# Altium PCB Bidir_Active_Rectifier-Main_Board.PcbDoc (part 2 of 3)
Units mm, origin at the board's own origin, x right, y up, seen from the top; angles counter-clockwise.
Board outline 95 x 135 mm, 2 copper layers (Top Layer, Bottom Layer), stack 1.641 mm thick; 308 components, 176 nets, 905 pads, 591 vias.
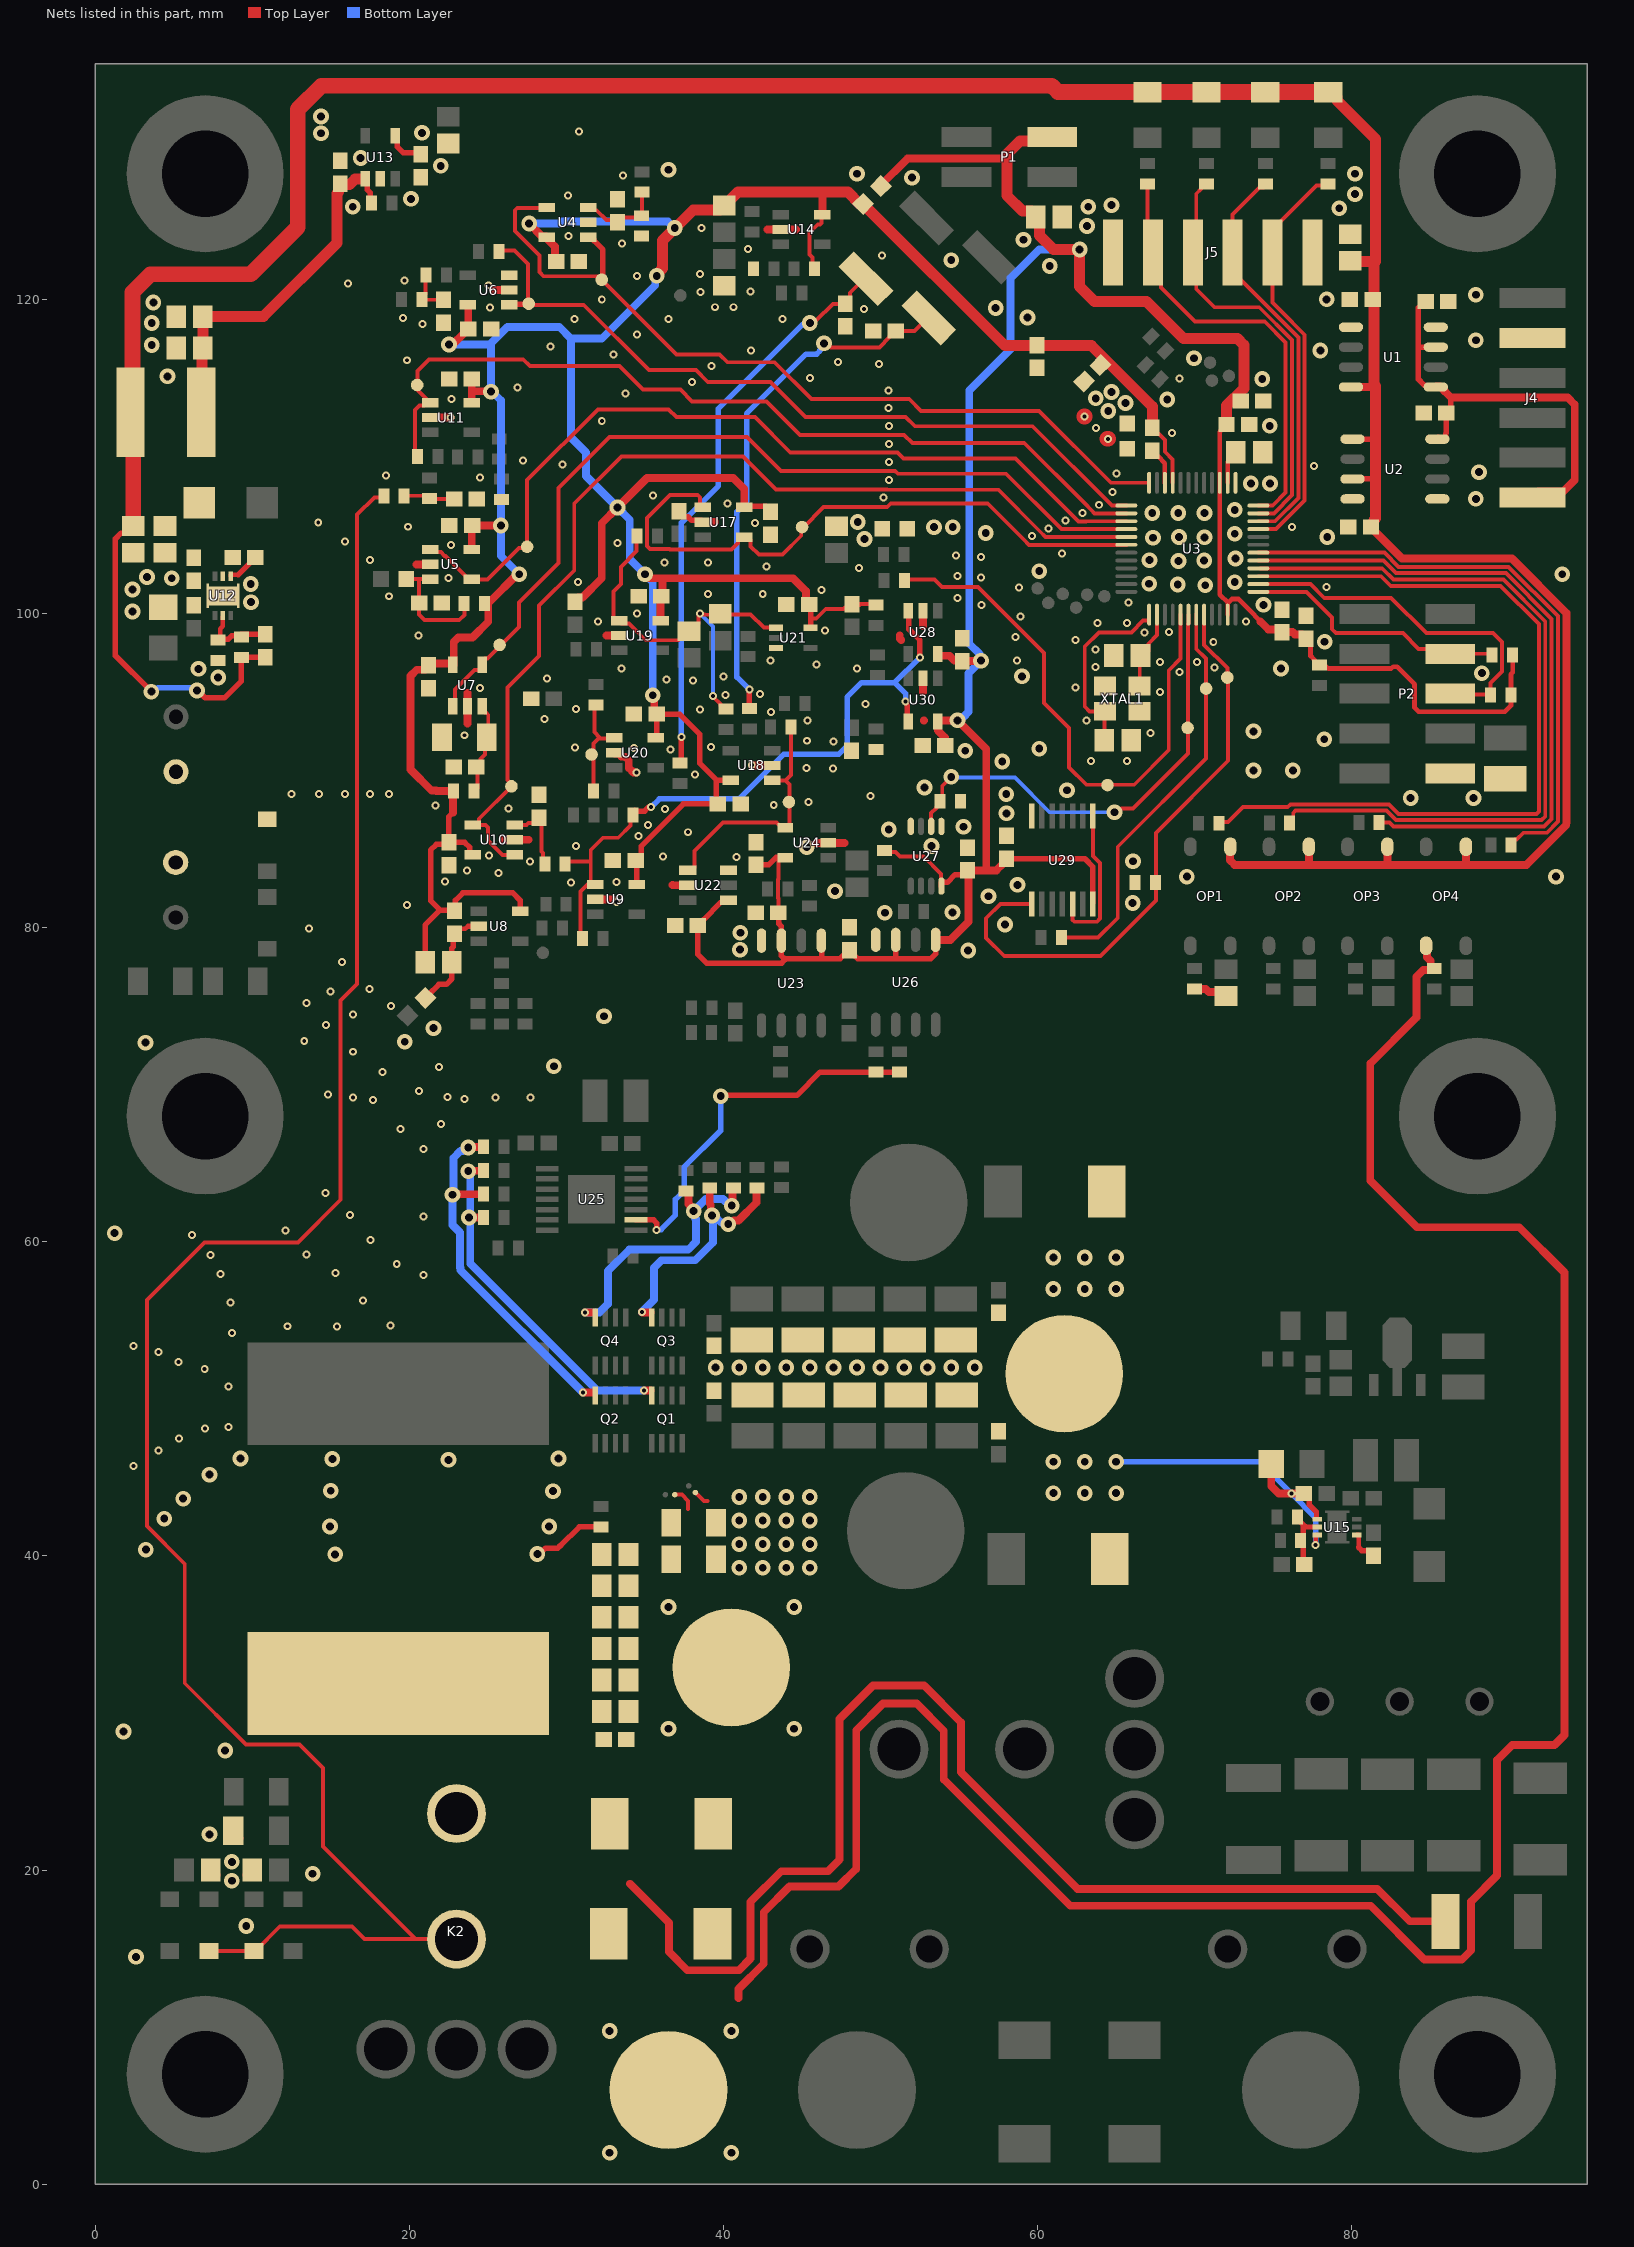
[diagram p2: the nets of this part, all layers, seen from the top]

## Part data (continued)
PTC1 PTC2: "PTC Resettable Fuse 0.1A(hold) 0.3A(trip) 60VDC 40A 0.8W 1.5s 0.7Ohm SMD Solder Pad 1812 T/R", Case Code (Imperial)=1812, Case Code (Metric)=4532, Current Rating=40A, Hold Current=100mA, Manufacturer=Schurter, Max Operating Temperature=85°C, Max Voltage Rating (DC)=60V, Min Operating Temperature=-40°C, Package Quantity=1500, Power Dissipation=800mW, Supplier Part Number 1=486-3531-1-ND, Trip Current=300mA, Approvals=UL,CSA, Case/Package=1812, Category="PTC Resettable Fuses", ClassName="Power Components", ComponentLink1Description=https://datasheet.ciiva.com/328/typ-pfmf-328349.pdf?src-supplier=Digi-Key, ComponentLink1URL=https://datasheet.ciiva.com/328/typ-pfmf-328349.pdf?src-supplier=Digi-Key, ComponentLink2Description=https://datasheet.ciiva.com/3020/typ-pfmf-3020634.pdf?src-supplier=Avnet, ComponentLink2URL=https://datasheet.ciiva.com/3020/typ-pfmf-3020634.pdf?src-supplier=Avnet, ComponentLink3Description=https://datasheet.ciiva.com/16692/typ-pfmf-16692278.pdf?src-supplier=Avnet+Europe, ComponentLink3URL=https://datasheet.ciiva.com/16692/typ-pfmf-16692278.pdf?src-supplier=Avnet+Europe, ComponentLink4Description=https://datasheet.ciiva.com/14541/70159979-14541037.pdf?src-supplier=Allied+Electronics, ComponentLink4URL=https://datasheet.ciiva.com/14541/70159979-14541037.pdf?src-supplier=Allied+Electronics, Height=1.1mm, Length=4.73mm, Manufacturer Part Number=PFMF.010.2, Max Current Rating=40A, Mount="Surface Mount,PCB", Number of Pins=2, Number of Terminals/Pins=2, Operating Supply Voltage=60V, Packaging="Tape and Reel", Pricing 1="1=0.29000, 50=0.23800, 100=0.22300, 500=0.21412 (USD)", Radiation Hardening=No, RoHS=Yes, RoHS Compliant=Yes, Series=PFMF, Stock 1=14643, Supplier 1=Digi-Key, Terminal Material="Electroless Nickel", Termination=SMD/SMT, Time to Trip=1.5s, Voltage Rating=60V, Voltage Rating (DC)=60V, Weight=0.000635oz, Width=3.07mm
Q1 Q2 Q3 Q4: "BSZ110N08NS5 Series 80 V 40 A OptiMOSTM5 Power-Transistor - PG-TSDSON-8 FL", Continuous Drain Current (ID)=40A, Drain to Source Breakdown Voltage=80V, Drain to Source Resistance=16.3mR, Gate to Source Voltage (Vgs)=20V, Input Capacitance=1.3nF, Manufacturer=Infineon, Max Operating Temperature=150°C, Max Power Dissipation=50W, Min Operating Temperature=-55°C, Package Quantity=5000, Supplier Part Number 1=BSZ110N08NS5ATMA1CT-ND, Category=MOSFETs, ClassName="Power Components", ComponentLink1Description=http://www.farnell.com/datasheets/2211547.pdf?src-supplier=Farnell, ComponentLink1URL=http://www.farnell.com/datasheets/2211547.pdf?src-supplier=Farnell, ComponentLink2Description=http://www.mouser.com/ds/2/196/Infineon-BSZ110N08NS5-DS-v02_01-en-531344.pdf?src-supplier=Mouser, ComponentLink2URL=http://www.mouser.com/ds/2/196/Infineon-BSZ110N08NS5-DS-v02_01-en-531344.pdf?src-supplier=Mouser, ComponentLink3Description=http://www.infineon.com/dgdl/BSZ110N08NS5_2_1.pdf?folderId=db3a304313b8b5a60113cee7c66a02d6&fileId=5546d461454603990145ccd70d7261fe&src-supplier=Avnet, ComponentLink3URL=http://www.infineon.com/dgdl/BSZ110N08NS5_2_1.pdf?folderId=db3a304313b8b5a60113cee7c66a02d6&fileId=5546d461454603990145ccd70d7261fe&src-supplier=Avnet, ComponentLink4Description=https://www.infineon.com/dgdl/Infineon-BSZ110N08NS5-DS-v02_01-en.pdf?fileId=5546d461454603990145ccd70d7261fe&src-supplier=Digi-Key, ComponentLink4URL=https://www.infineon.com/dgdl/Infineon-BSZ110N08NS5-DS-v02_01-en.pdf?fileId=5546d461454603990145ccd70d7261fe&src-supplier=Digi-Key, ComponentLink5Description=http://www.farnell.com/datasheets/2211547.pdf?src-supplier=Newark, ComponentLink5URL=http://www.farnell.com/datasheets/2211547.pdf?src-supplier=Newark, Drain to Source Voltage (Vdss)=80V, Element Configuration=Single, Fall Time=3ns, Halogen Free="Halogen Free", Lead Free="Contains Lead", Manufacturer Part Number=BSZ110N08NS5ATMA1, Max Dual Supply Voltage=80V, Mount="Surface Mount", Number of Channels=1, Number of Pins=8, Packaging="Tape and Reel", Pricing 1="1=1.20000, 10=1.07100, 100=0.83490, 500=0.68970, 1000=0.60500 (USD)", Rds On Max=11mR, Rise Time=3ns, RoHS=Yes, RoHS Compliant=Yes, Supplier 1=Digi-Key, Turn-Off Delay Time=15ns, Turn-On Delay Time=9ns
R1 R2: "Fixed Resistor, Metal Foil, 1W, 0.004ohm, 0.0632V, 1% +/-Tol, 100ppm/Cel, Surface Mount, 0613", Manufacturer=Cyntec, Supplier Part Number 1=2037-RL1632T4F-R004-FNHCT-ND, Category="Chip SMD Resistors", ClassName="Power Components", Pricing 1="1=0.55000, 10=0.45700, 25=0.39160, 50=0.35240, 100=0.30670, 250=0.27404, 500=0.22184, 1000=0.17944 (USD)", RoHS=Yes, Stock 1=2757, Supplier 1=Digi-Key
  R2: Manufacturer Part Number=RL1632T4F-R004-FNH, Size="1206 (3216 Metric)"
R3 R4 R5 R6 R7 R8 R9 R10 R11 R12 R13 R14 R15 R16 R17 R18 R19 R20 R21 R22 R23 R24 R25 R26 R27 R28 R29 R30 R31 R32 R33 R34 R35 R36 R37 R38 R39 R40 R41 R42 R43 R44 R45 R46 R47 R48 R49 R54 R55 R56 R57 R58 R59 R60 R61 R62 R63 R64 R65 R66 R67 R68 R69 R70 R71 R72 R73 R74 R75 R76 R77 R78 R79 R80 R81 R82 R83 R84 R85 R86 R87 R88 R89 R90 R91 R92 R93 R94 R95 R96 R97: "Resistor", LatestRevisionDate=17-Jul-2002, LatestRevisionNote="Re-released for DXP Platform.", Published=8-Jun-2000, Publisher="Altium Limited"
  R6 R7 R8 R9: PackageDescription="Axial Device, Thru-Hole; 2 Leads; 0.3 in Pin Spacing", PackageReference=AXIAL-0.3
R50 R51 R52 R53: "Res Thick Film 2512 100 Ohm 5% 1W ±200ppm/C Molded SMD Automotive T/R", Case Code (Imperial)=2512, Case Code (Metric)=6432, Manufacturer="Stackpole Electronics", Max Operating Temperature=155°C, Max Power Dissipation=1W, Min Operating Temperature=-55°C, Resistance=100R, Resistor Type="Thick Film", Supplier Part Number 1=RMCF2512JT100RCT-ND, Temperature Coefficient=200ppm/°C, Tolerance=5%, Case/Package=2512, Category="Chip SMD Resistors", ComponentLink1Description=https://datasheet.ciiva.com/26946/getdatasheetpartid-373976-26946734.pdf?src-supplier=Verical, ComponentLink1URL=https://datasheet.ciiva.com/26946/getdatasheetpartid-373976-26946734.pdf?src-supplier=Verical, Construction=Rectangular, Contact Plating=Tin,Matte, Depth=1.25mm, Features="Automotive AEC-Q200", Height=0.028inch, Lead Free="Lead Free", Length=0.248inch, Manufacturer Part Number=RMCF2512JT100R, Military Standard=Not, Mount="Surface Mount", Number of Terminations=2, Packaging="Tape and Reel", Power Rating=1W, Pricing 1="1=0.30000, 10=0.25300, 100=0.09890, 1000=0.04140 (USD)", Radiation Hardening=No, RoHS=Yes, RoHS Compliant=Yes, Series=RMCF, Size Code=2512, Stock 1=50151, Supplier 1=Digi-Key, Width=0.126inch
  R50 R53: ClassName="Power Components"
SW1: "Switch Snap Action N.O./N.C. SPDT Pin Plunger 3A 125VAC 24VDC 1.47N Thru-Hole PC Pins Bulk", Current Rating=3A, Manufacturer="ITT C&K", Max Operating Temperature=85°C, Max Voltage Rating (AC)=125V, Max Voltage Rating (DC)=30V, Min Operating Temperature=-40°C, Operating Force=1.47N, Operating Position=0.272inch, Package Quantity=1, Supplier Part Number 1=CKN9164-ND, Actuator Material=Nylon, Actuator Type="PIN PLUNGER", Category="Snap Action / Limit Switches", ComponentLink1Description=https://datasheet.ciiva.com/8624/zmadetect-11dec14-8624279.pdf?src-supplier=Avnet, ComponentLink1URL=https://datasheet.ciiva.com/8624/zmadetect-11dec14-8624279.pdf?src-supplier=Avnet, ComponentLink2Description=https://datasheet.ciiva.com/2891/zmasnap-15sept15-2891687.pdf?src-supplier=Digi-Key, ComponentLink2URL=https://datasheet.ciiva.com/2891/zmasnap-15sept15-2891687.pdf?src-supplier=Digi-Key, ComponentLink3Description=https://datasheet.ciiva.com/16179/689zmasnap-4feb-16179930.pdf?src-supplier=Onlinecomponents.com, ComponentLink3URL=https://datasheet.ciiva.com/16179/689zmasnap-4feb-16179930.pdf?src-supplier=Onlinecomponents.com, Contact Material=Silver, Contact Plating=Silver, Depth=5.8mm, Electrical Life=10000Cycles, Lead Free="Lead Free", Length=12.8mm, Manufacturer Part Number=ZMA03A150P00PC, Max Current Rating=3A, Mechanical Life=100000Cycles, Mount="Through Hole,Screw", Orientation=Straight, Overtravel=0.008inch, Packaging=Bulk, Pretravel=0.024inch, Pricing 1="1=0.89000, 10=0.83700, 25=0.80320, 40=0.77000, 100=0.73640, 300=0.58580, 500=0.53560, 1000=0.51886, 4900=0.46865 (USD)", Radiation Hardening=No, RoHS=Yes, Series=ZMA, Stock 1=16640, Supplier 1=Digi-Key, Switch Function=On-Mom, Termination="PC Pins", Throw Configuration=SPDT, Voltage Rating (AC)=125V, Voltage Rating (DC)=30V
TVS1 TVS2 TVS5 TVS6: "SMCJ Series 1.5 kW 30 V Uni-Directional Surface Mount TVS Diode - DO-214AB", Breakdown Voltage=33.3V, Case/Package=DO-214AB, Clamping Voltage=48.4V, Leakage Current=1uA, Manufacturer=Littelfuse, Max Breakdown Voltage=36.8V, Max Operating Temperature=150°C, Max Power Dissipation=6.5W, Max Surge Current=31A, Min Operating Temperature=-55°C, Operating Supply Voltage=30V, Package Quantity=3000, Peak Pulse Power=1.5kW, Power Line Protection=No, Resistor Type=Zener, Supplier Part Number 1=SMCJ30ALFCT-ND, Test Current=1mA, Category=Diodes, Clamping Voltage-Max=48.4V, ClassName="Power Components", ComponentLink1Description=https://datasheet.ciiva.com/332/littelfuse-tvs-diode-smcj-datasheet-pdf-332150.pdf?src-supplier=Digi-Key, ComponentLink1URL=https://datasheet.ciiva.com/332/littelfuse-tvs-diode-smcj-datasheet-pdf-332150.pdf?src-supplier=Digi-Key, ComponentLink2Description=https://datasheet.ciiva.com/332/littelfuse-tvs-diode-smcj-datasheet-pdf-332151.pdf?src-supplier=Digi-Key, ComponentLink2URL=https://datasheet.ciiva.com/332/littelfuse-tvs-diode-smcj-datasheet-pdf-332151.pdf?src-supplier=Digi-Key, ComponentLink3Description=https://datasheet.ciiva.com/332/littelfuse-tvs-diode-smcj-datasheet-pdf-332152.pdf?src-supplier=Digi-Key, ComponentLink3URL=https://datasheet.ciiva.com/332/littelfuse-tvs-diode-smcj-datasheet-pdf-332152.pdf?src-supplier=Digi-Key, ComponentLink4Description=https://datasheet.ciiva.com/8062/littelfuse-tvs-diode-smcj-8062380.pdf?src-supplier=Element14, ComponentLink4URL=https://datasheet.ciiva.com/8062/littelfuse-tvs-diode-smcj-8062380.pdf?src-supplier=Element14, Diode Type=ZENER, Direction=Unidirectional, Element Configuration=Single, Height=2.417mm, Lead Free="Lead Free", Length=7.11mm, Manufacturer Part Number=SMCJ30A, Max Reverse Leakage Current=1uA, Min Breakdown Voltage=33.3V, Mount="Surface Mount", Number of Channels=1, Number of Elements=1, Number of Pins=2, Number of Unidirectional Channels=1, Packaging="Tape and Reel", Peak Pulse Current=31A, Polarity=Unidirectional, Power Dissipation=1.5kW, Pricing 1="1=0.56000, 10=0.47700, 100=0.35590, 500=0.27962, 1000=0.21607 (USD)", REACH SVHC="No SVHC", Reverse Breakdown Voltage=33.3V, Reverse Standoff Voltage=30V, RoHS=Yes, RoHS Compliant=Yes, Series=SMCJ, Stock 1=18898, Supplier 1=Digi-Key, Termination=SMD/SMT, Voltage Rating (DC)=30V, Width=6.22mm
TVS3 TVS4: "Diode TVS Single Bi-Dir 20V 1.5KW 2-Pin DO-214AB T/R", Breakdown Voltage=22.2V, Case/Package=DO-214AB, Clamping Voltage=32.4V, Leakage Current=1uA, Manufacturer=Littelfuse, Max Breakdown Voltage=24.5V, Max Operating Temperature=150°C, Max Surge Current=46.3A, Min Operating Temperature=-65°C, Operating Supply Voltage=20V, Package Quantity=3000, Peak Pulse Power=1.5kW, Power Line Protection=No, Resistor Type=Zener, Supplier Part Number 1=SMCJ20CALFCT-ND, Test Current=1mA, Category="TVS Diodes", Clamping Voltage-Max=32.4V, ClassName="Power Components", ComponentLink1Description=https://datasheet.ciiva.com/332/littelfuse-tvs-diode-smcj-datasheet-pdf-332358.pdf?src-supplier=Digi-Key, ComponentLink1URL=https://datasheet.ciiva.com/332/littelfuse-tvs-diode-smcj-datasheet-pdf-332358.pdf?src-supplier=Digi-Key, ComponentLink2Description=https://datasheet.ciiva.com/332/littelfuse-tvs-diode-smcj-datasheet-pdf-332359.pdf?src-supplier=Digi-Key, ComponentLink2URL=https://datasheet.ciiva.com/332/littelfuse-tvs-diode-smcj-datasheet-pdf-332359.pdf?src-supplier=Digi-Key, ComponentLink3Description=https://datasheet.ciiva.com/332/littelfuse-tvs-diode-smcj-datasheet-pdf-332360.pdf?src-supplier=Digi-Key, ComponentLink3URL=https://datasheet.ciiva.com/332/littelfuse-tvs-diode-smcj-datasheet-pdf-332360.pdf?src-supplier=Digi-Key, ComponentLink4Description=https://datasheet.ciiva.com/15063/littelfuse-tvs-diode-smcj-15063990.pdf?src-supplier=Digi-Key, ComponentLink4URL=https://datasheet.ciiva.com/15063/littelfuse-tvs-diode-smcj-15063990.pdf?src-supplier=Digi-Key, Diode Type=ZENER, Direction=Bidirectional, Height=2.62mm, Lead Free="Lead Free", Length=8.13mm, Manufacturer Part Number=SMCJ20CA, Min Breakdown Voltage=22.2V, Mount="Surface Mount", Number of Bidirectional Channels=1, Number of Channels=1, Number of Elements=1, Number of Pins=2, Packaging="Tape and Reel", Peak Pulse Current=46.3A, Polarity=Bidirectional, Power Dissipation=1.5kW, Pricing 1="1=0.64000, 10=0.55100, 100=0.41160, 500=0.32340, 1000=0.24990 (USD)", Radiation Hardening=No, REACH SVHC="No SVHC", Reverse Breakdown Voltage=22.2V, Reverse Standoff Voltage=20V, RoHS=Yes, RoHS Compliant=Yes, Series=SMCJ, Stock 1=1995, Supplier 1=Digi-Key, Termination=SMD/SMT, Voltage Rating (DC)=20V, Width=6.22mm
U1 U2 U23 U26: "Robust EMC, single-channel, reinforced digital isolator 8-SOIC -55 to 125", Manufacturer="Texas Instruments", Max Operating Temperature=125°C, Min Operating Temperature=-55°C, Supplier Part Number 1=296-51194-1-ND, Category="Interface ICs", ComponentLink1Description=http://www.ti.com/general/docs/suppproductinfo.tsp?distId=10&amp;gotoUrl=http%3A%2F%2Fwww.ti.com%2Flit%2Fgpn%2Fiso7710&src-supplier=Digi-Key, ComponentLink1URL=http://www.ti.com/general/docs/suppproductinfo.tsp?distId=10&amp;gotoUrl=http%3A%2F%2Fwww.ti.com%2Flit%2Fgpn%2Fiso7710&src-supplier=Digi-Key, Manufacturer Part Number=ISO7710FDR, Number of Channels=1, Pricing 1="1=1.69000, 10=1.51700, 25=1.43120, 100=1.21920, 250=1.14480, 500=1.00170, 1000=0.94500 (USD)", RoHS=Yes, RoHS Compliant=Yes, Supplier 1=Digi-Key
U3: "Nuvoton Cortex-M4 160K RAM 512K Flash 48LQFP", ClassName="Power Components"
U4 U5 U6 U7 U10 U11 U14 U17: "MCP6L01 Series 6 V 1 MHz Rail-to-Rail I/O Operational Amplifier - SOT-23-5", Case/Package=SOT-23, Input Bias Current=2pA, Input Offset Voltage (Vos)=5mV, Manufacturer=Microchip, Max Operating Temperature=125°C, Max Supply Voltage=6V, Min Operating Temperature=-40°C, Min Supply Voltage=1.8V, Nominal Supply Current=85uA, Output Current=20mA, Package Quantity=3000, Power Supply Rejection Ratio (PSRR)=83dB, Supplier Part Number 1=MCP6L01T-E/OTCT-ND, Voltage Gain=105dB, Amplifier Type="GENERAL PURPOSE", Bandwidth=1MHz, Category="Amplifiers - Op Amps, Buffer, Instrumentation", Common Mode Rejection Ratio=78dB, ComponentLink1Description=https://datasheet.ciiva.com/1793/22140b-1793067.pdf?src-supplier=Digi-Key, ComponentLink1URL=https://datasheet.ciiva.com/1793/22140b-1793067.pdf?src-supplier=Digi-Key, ComponentLink2Description=https://datasheet.ciiva.com/1793/22140b-1793068.pdf?src-supplier=Digi-Key, ComponentLink2URL=https://datasheet.ciiva.com/1793/22140b-1793068.pdf?src-supplier=Digi-Key, ComponentLink3Description=https://datasheet.ciiva.com/1793/22140b-1793069.pdf?src-supplier=Digi-Key, ComponentLink3URL=https://datasheet.ciiva.com/1793/22140b-1793069.pdf?src-supplier=Digi-Key, ComponentLink4Description=https://datasheet.ciiva.com/11710/22140b-11710902.pdf?src-supplier=Avnet, ComponentLink4URL=https://datasheet.ciiva.com/11710/22140b-11710902.pdf?src-supplier=Avnet, ComponentLink5Description=https://datasheet.ciiva.com/17572/22140b-17572377.pdf?src-supplier=Avnet+Europe, ComponentLink5URL=https://datasheet.ciiva.com/17572/22140b-17572377.pdf?src-supplier=Avnet+Europe, ComponentLink6Description=https://datasheet.ciiva.com/16450/filehandler-aspxddocname-en540137-16450636.pdf?src-supplier=Future+Electronics, ComponentLink6URL=https://datasheet.ciiva.com/16450/filehandler-aspxddocname-en540137-16450636.pdf?src-supplier=Future+Electronics, ComponentLink7Description=https://datasheet.ciiva.com/8079/1669460-8079015.pdf?src-supplier=Element14, ComponentLink7URL=https://datasheet.ciiva.com/8079/1669460-8079015.pdf?src-supplier=Element14, ComponentLink8Description=https://datasheet.ciiva.com/41459/001085045-da-01-en-ic-opamp-1-0m-mcp6l01t-e-ot-sot-23-5-mcp-41459270.pdf?src-supplier=Conrad, ComponentLink8URL=https://datasheet.ciiva.com/41459/001085045-da-01-en-ic-opamp-1-0m-mcp6l01t-e-ot-sot-23-5-mcp-41459270.pdf?src-supplier=Conrad, Contact Plating=Tin,Matte, Gain Bandwidth Product=1MHz, Height=0.051inch, Input Offset Voltage-Max=5mV, Lead Free="Lead Free", Length=0.122inch, Manufacturer Part Number=MCP6L01T-E/OT, Mount="Surface Mount", Number of Amplifiers=1, Number of Channels=1, Number of Circuits=1, Number of Elements=1, Number of Pins=5, Packaging="Tape and Reel", Pricing 1="1=0.29000, 25=0.23320, 100=0.22500 (USD)", Radiation Hardening=No, REACH SVHC="No SVHC", RoHS=Yes, RoHS Compliant=Yes, Slew Rate=0.6V/µs, Slew Rate-Nom=0.6V/µs, Stock 1=1635, Supplier 1=Digi-Key, Supply Current=85uA, Technology=CMOS, Unity Gain Bandwidth Product=1MHz, Width=0.071inch
U8 U9 U18 U19 U20: "Op Amp Single Precision Amplifier R-R I/O 5V 5-Pin TSOT T/R", Case/Package=TSOT, Input Bias Current=0.2pA, Input Capacitance=6.7pF, Input Offset Voltage (Vos)=100uV, Input Voltage Noise Density="10nV/sqrt Hz", Manufacturer="Analog Devices", Max Frequency=100kHz, Max Operating Temperature=125°C, Max Supply Voltage=5V, Min Operating Temperature=-40°C, Min Supply Voltage=2.7V, Operating Supply Current=1.7mA, Operating Supply Voltage=3V, Output Current per Channel=150mA, Power Supply Rejection Ratio (PSRR)=90dB, Supplier Part Number 1=505-AD8615AUJZ-R2CT-ND, Voltage Gain=123.52dB, Amplifier Type="GENERAL PURPOSE", Bandwidth=24MHz, Category="Amplifiers - Op Amps, Buffer, Instrumentation", Common Mode Rejection Ratio=80dB, ComponentLink1Description=https://datasheet.ciiva.com/15374/ad8615-8616-8618-243269-15374265.pdf?src-supplier=Mouser, ComponentLink1URL=https://datasheet.ciiva.com/15374/ad8615-8616-8618-243269-15374265.pdf?src-supplier=Mouser, ComponentLink2Description=https://datasheet.ciiva.com/11213/ad8615-8616-8618-11213517.pdf?src-supplier=Avnet, ComponentLink2URL=https://datasheet.ciiva.com/11213/ad8615-8616-8618-11213517.pdf?src-supplier=Avnet, ComponentLink3Description=https://datasheet.ciiva.com/2974/ad8615-8616-8618-2974705.pdf?src-supplier=Avnet, ComponentLink3URL=https://datasheet.ciiva.com/2974/ad8615-8616-8618-2974705.pdf?src-supplier=Avnet, ComponentLink4Description=https://datasheet.ciiva.com/6627/ad8615-8616-8618-6627423.pdf?src-supplier=Digi-Key, ComponentLink4URL=https://datasheet.ciiva.com/6627/ad8615-8616-8618-6627423.pdf?src-supplier=Digi-Key, Contact Plating=Tin,Matte, Gain Bandwidth Product=24MHz, Height=0.9mm, Lead Free="Contains Lead", Length=2.9mm, Manufacturer Part Number=AD8615AUJZ-R2, Number of Amplifiers=1, Number of Channels=1, Number of Circuits=1, Number of Elements=1, Number of Pins=5, Packaging="Tape and Reel", Pricing 1="1=3.46000, 10=3.10300, 25=2.93360, 100=2.54240 (USD)", Quiescent Current=1.7mA, Radiation Hardening=No, RoHS=Yes, RoHS Compliant=Yes, Series=DigiTrim®, Settling Time=0.3us, Slew Rate=12V/µs, Supplier 1=Digi-Key, Technology=CMOS, Unity Gain Bandwidth Product=24MHz, Width=1.6mm